# KiCad board 5wy19_converted.kicad_pcb (continued)
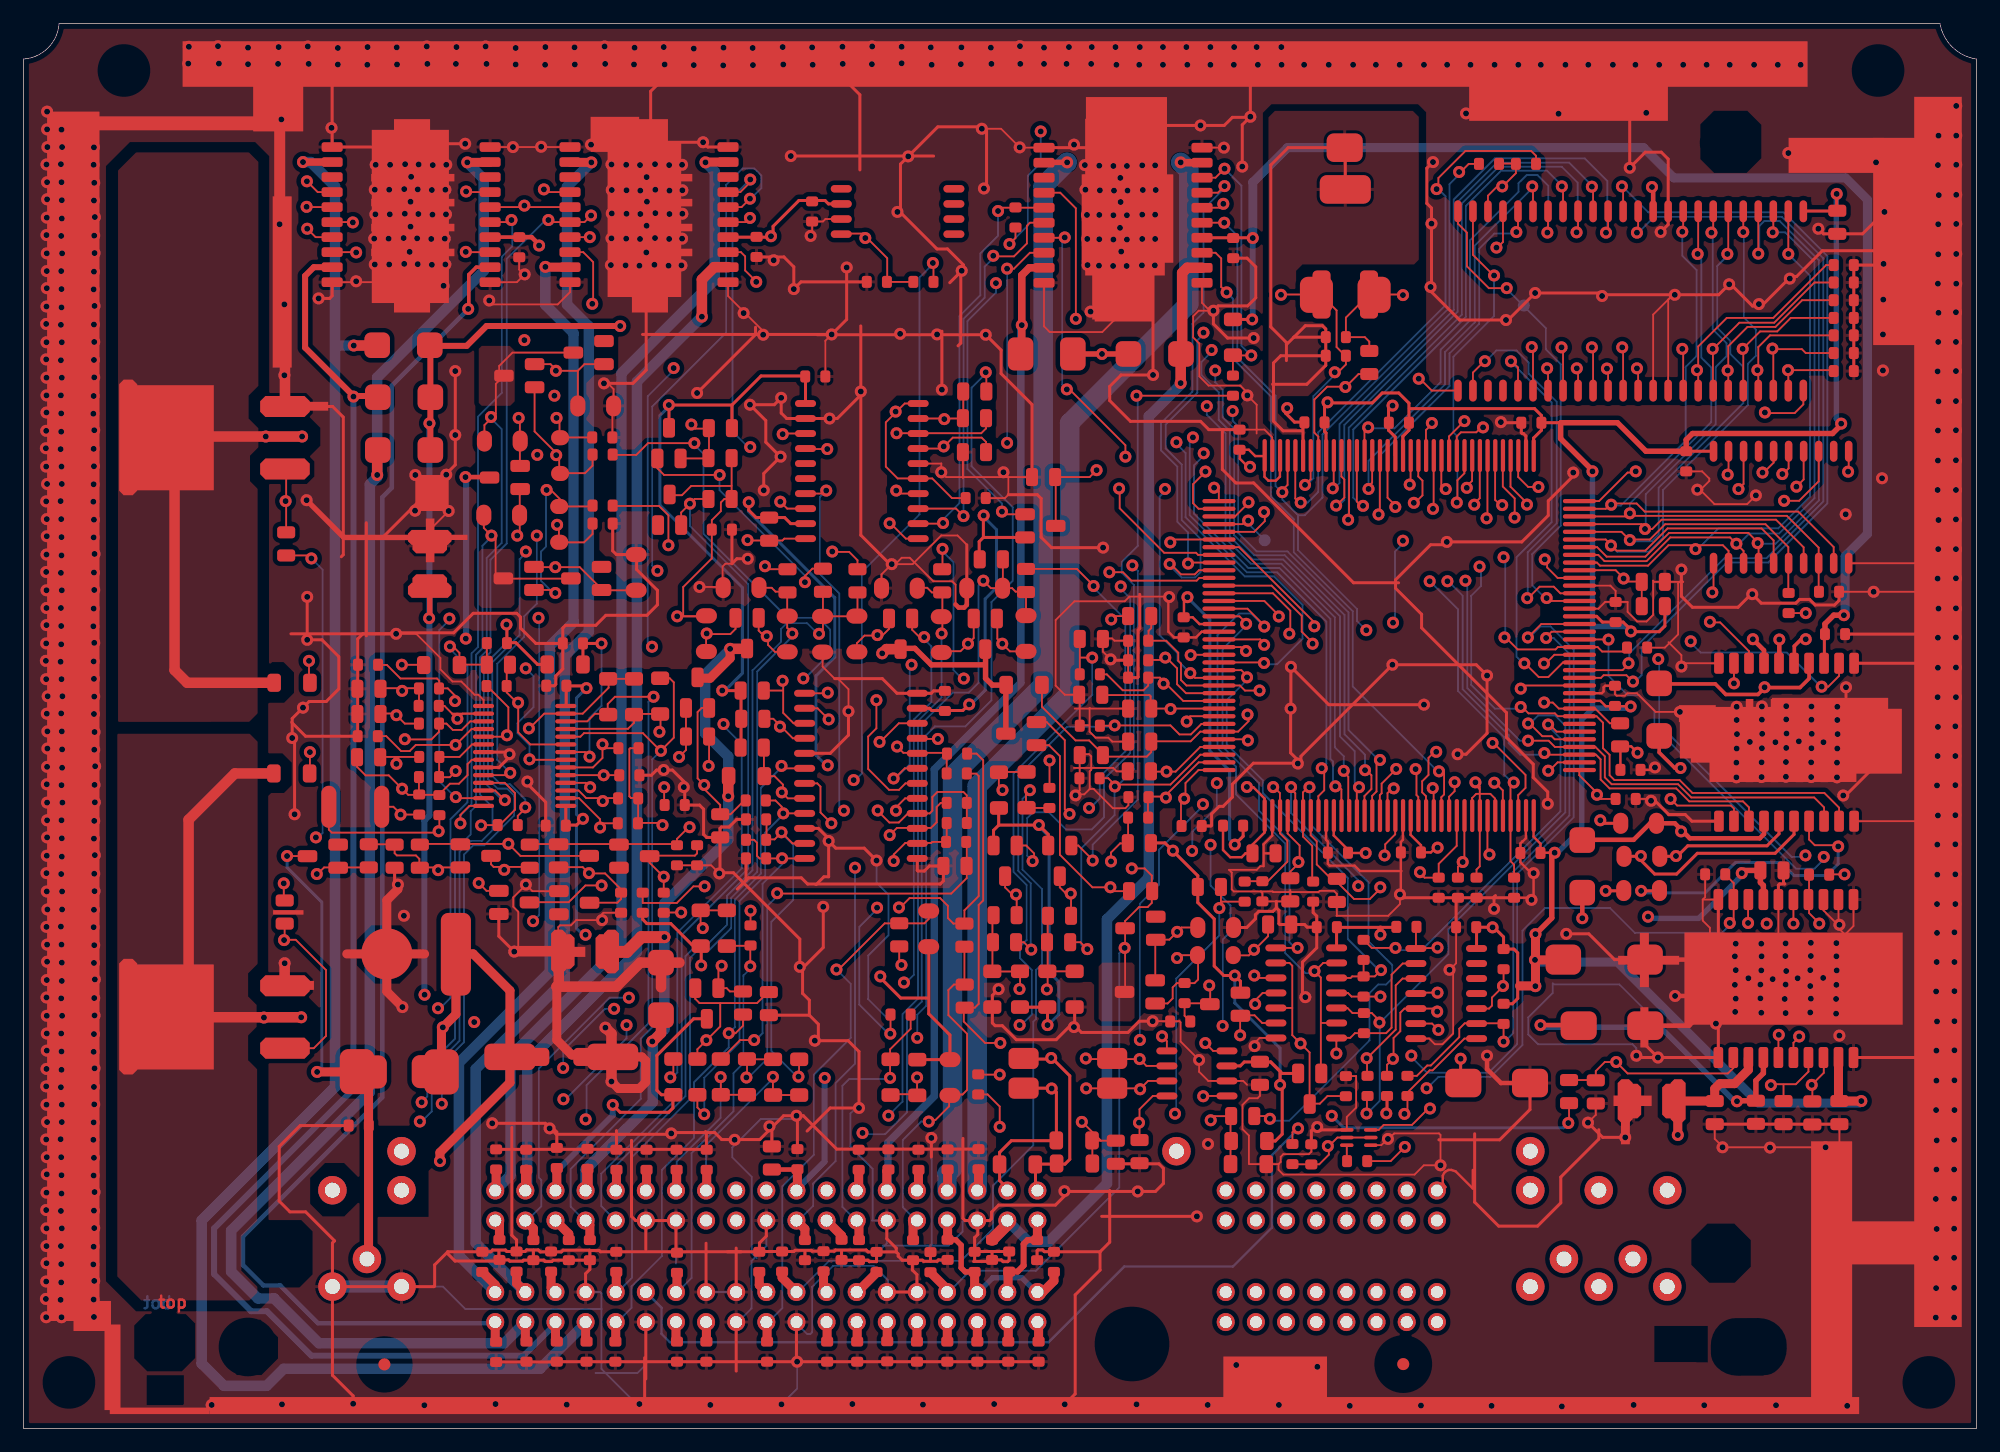
[diagram p0: board, top side]
## Footprints (pads in the part's own frame, mm; a bottom-side part is the same pattern mirrored in y, then rotated) (continued)
3
  rrect 1.778x0.813 smd: 1(0,0) 2(0,1.27) 3(0,2.54) 4(0,3.81) 5(0,5.08) 6(0,6.35) 7(0,7.62) 8(0,8.89) 9(0,10.16) 10(0,11.43) 11(-13.36,11.43) 12(-13.36,10.16) 13(-13.36,8.89) 14(-13.36,7.62) 15(-13.36,6.35) 16(-13.36,5.08) 17(-13.36,3.81) 18(-13.36,2.54) 19(-13.36,1.27) 20(-13.36,0)
  rect 3.048x3.048 smd: 21(-6.756,12.471) 22(-6.756,-0.838)
  rect 2.794x0.635 smd: 23(-8.941,8.915) 24(-8.941,6.807) 25(-8.941,4.699) 26(-8.941,2.591) 27(-4.699,2.591) 28(-4.699,4.699) 29(-4.699,6.807) 30(-4.699,8.915)
4
  oval 0.635x1.854 smd: (-1.27,0) (-1.27,-15.164) (0,0) (0,-15.164) 1(-2.54,0) 2(-3.81,0) 3(-5.08,0) 4(-6.35,0) 5(-7.62,0) 6(-8.89,0) 7(-10.16,0) 8(-11.43,0) 9(-12.7,0) 10(-13.97,0) 11(-15.24,0) 12(-16.51,0) 13(-17.78,0) 14(-19.05,0) 15(-20.32,0) 16(-21.59,0) 17(-22.86,0) 18(-24.13,0) 19(-25.4,0) 20(-26.67,0) 21(-27.94,0) 22(-29.21,0) 23(-29.21,-15.164) 24(-27.94,-15.164) 25(-26.67,-15.164) 26(-25.4,-15.164) 27(-24.13,-15.164) 28(-22.86,-15.164) 29(-21.59,-15.164) 30(-20.32,-15.164) 31(-19.05,-15.164) 32(-17.78,-15.164) 33(-16.51,-15.164) 34(-15.24,-15.164) 35(-13.97,-15.164) 36(-12.7,-15.164) 37(-11.43,-15.164) 39(-8.89,-15.164) 40(-7.62,-15.164) 41(-6.35,-15.164) 42(-5.08,-15.164) 43(-3.81,-15.164) 44(-2.54,-15.164) 438(-10.16,-15.164)
5
  oval 0.635x1.778 smd: 1(0,0) 2(-1.27,0) 3(-2.54,0) 4(-3.81,0) 5(-5.08,0) 6(-6.35,0) 7(-7.62,0) 8(-8.89,0) 9(-10.16,0) 10(-11.43,0) 11(-11.43,-9.474) 12(-10.16,-9.474) 13(-8.89,-9.474) 14(-7.62,-9.474) 15(-6.35,-9.474) 16(-5.08,-9.474) 17(-3.81,-9.474) 18(-2.54,-9.474) 19(-1.27,-9.474) 20(0,-9.474)
6
  oval 1.778x0.584 smd: 1(0,0) 2(0,-1.27) 3(0,-2.54) 4(0,-3.81) 5(5.08,-3.81) 6(5.08,-2.54) 7(5.08,-1.27) 8(5.08,0)
7
  oval 1.778x0.584 smd: 1(0,0) 2(0,1.27) 3(0,2.54) 4(0,3.81) 5(0,5.08) 6(0,6.35) 7(0,7.62) 8(-5.131,7.62) 9(-5.131,6.35) 10(-5.131,5.08) 11(-5.131,3.81) 12(-5.131,2.54) 13(-5.131,1.27) 14(-5.131,0)
8
  oval 1.143x0.305 smd: 1(0,0) 2(0,-0.648) 3(0,-1.295) 4(2.032,-1.295) 5(2.032,-0.648) 6(2.032,0)
9
  oval 1.778x0.635 smd: 1(0,0) 2(0,1.278) 3(0,2.557) 4(0,3.835) 5(-9.525,3.835) 6(-9.525,2.557) 7(-9.525,1.278) 8(-9.525,0)
10
  oval 1.778x0.584 smd: 1(0,0) 2(0,1.27) 3(0,2.54) 4(0,3.81) 5(0,5.08) 6(0,6.35) 7(0,7.62) 8(0,8.89) 9(0,10.16) 10(0,11.43) 11(-9.525,11.43) 12(-9.525,10.16) 13(-9.525,8.89) 14(-9.525,7.62) 15(-9.525,6.35) 16(-9.525,5.08) 17(-9.525,3.81) 18(-9.525,2.54) 19(-9.525,1.27) 20(-9.525,0)
10#2
  oval 1.778x0.584 smd: 1(0,0) 2(0,1.27) 3(0,2.54) 4(0,3.81) 5(0,5.08) 6(0,6.35) 7(0,7.62) 8(0,8.89) 9(0,10.16) 10(0,11.43) 11(0,12.7) 12(0,13.97) 13(-9.525,13.97) 14(-9.525,12.7) 15(-9.525,11.43) 16(-9.525,10.16) 17(-9.525,8.89) 18(-9.525,7.62) 19(-9.525,6.35) 20(-9.525,5.08) 21(-9.525,3.81) 22(-9.525,2.54) 23(-9.525,1.27) 24(-9.525,0)
11
  rrect 2.54x1.778 smd: 1(0,0) 2(0,-2.515) 3(7.493,-2.515) 4(7.493,0)
12
  oval 1.778x0.356 smd: 1(0,0) 2(0,-0.65) 3(0,-1.3) 4(0,-1.95) 5(0,-2.6) 6(0,-3.25) 7(0,-3.9) 8(0,-4.55) 9(0,-5.2) 10(0,-5.85) 11(0,-6.5) 12(0,-7.15) 13(0,-7.8) 14(0,-8.45) 15(6.96,-8.45) 16(6.96,-7.8) 17(6.96,-7.15) 18(6.96,-6.5) 19(6.96,-5.85) 20(6.96,-5.2) 21(6.96,-4.55) 22(6.96,-3.9) 23(6.96,-3.25) 24(6.96,-2.6) 25(6.96,-1.95) 26(6.96,-1.3) 27(6.96,-0.65) 28(6.96,0)
13
  rrect 4.191x1.778 smd: 1(0,0) 3(0,-5.283)
  rect 7.112x8.89 smd: 2(9.576,-2.642)
  rrect 1.524x9.779 smd: 2(13.259,-2.667)
14
  rrect 2.54x6.985 smd: 1(0,0)
  round 4.318 smd: 2(5.842,-0.025)
15
  rrect 2.921x3.81 smd: 1(-0.61,0.025) 2(6.528,0)
  rrect 3.81x2.794 smd: 1(0,0) 2(5.918,0.025)
16
  rrect 2.286x1.524 smd: 1(0,0) 2(-4.318,0)
  rrect 4.318x2.235 smd: 1(2.184,0) 2(-6.502,0)
17
  rrect 1.651x1.016 smd: 1(0,0) 2(0,-1.956) 3(2.591,-0.978)
18
  rrect 2.159x2.159 smd: 1(0,0) 2(-4.445,0)
18#2
  rrect 2.159x2.159 smd: 1(-4.445,0) 2(0,0)
19
  rrect 3.683x1.27 smd: 1(0,0.711) 2(0,-3.759)
  rrect 2.921x1.27 smd: 1(0,0) 2(0,-3.048)
20
  oval 1.524x1.27 smd: 1(0,3.023) 2(0,0)
21
  oval 1.27x1.778 smd: 1(0,0) 2(3.023,0)
22
  oval 1.27x3.556 smd: 1(0,0) 2(4.47,0)
23
  rrect 2.159x2.794 smd: 1(-4.42,0) 2(0,0)
24
  rrect 1.524x4.064 smd: 1(-0.432,-0.025) 2(-4.445,-0.025)
  rrect 2.794x3.048 smd: 1(0,0) 2(-4.877,0)
  rrect 4.318x2.413 smd: 3(-2.438,-8.915)
  rrect 3.048x2.413 smd: 4(-2.388,-12.446)
25
  rrect 3.048x2.413 smd: 1(0,0) 2(-5.639,0)
26
  rrect 2.997x2.54 smd: 1(0,0) 2(-6.909,0)
27
  rrect 1.524x1.143 smd: 1(0,0) 2(0,-3.023)
28
  rrect 1.524x1.016 smd: 1(0,0) 2(0,1.956)
28#2
  rrect 1.524x1.016 smd: 1(0,1.956) 2(0,0)
29
  rrect 1.016x0.838 smd: 1(0,0) 2(0,-1.702)
29#2
  rrect 1.016x0.838 smd: 1(0,-1.702) 2(0,0)
unnamed
  round 1.016 smd: 2(0,0)
unnamed#3
  round 1.016 smd far side: 2(0,0)
unnamed#2
  round 1.016 smd far side: 1(0,0)
unnamed#4
  round 1.016 smd: 1(0,0)

## Nets
5V: C1.1 C3.1 C4.1 C5.2 C6.2 C9.1 C11.1 C12.1 C13.1 C14.2 C15.2 C19.1 C20.1 C21.1 C28.2 C30.2 C31.1 C50.2 C56.1 C57.1 C58.1 C70.1 C71.1 C73.1 C77.1 C83.1 IC1.17 IC1.46 IC1.56 IC1.72 IC1.82 IC1.93 IC1.109 IC1.126 IC1.136 IC1.142 IC1.144 IC2.23 IC2.33 IC3.20 IC4.13 IC5.1 IC6.14 IC7.9 IC8.14 IC9.23 IC10.14 IC11.3 Q4.3 Q7.2 Q15.2 Q16.2 Q27.2 Q28.2 R7.2 R17.2 R31.2 R43.2 R63.1 R67.1 R71.1 R78.1 R90.1 R91.2 R99.1 R101.1 R105.2 R108.1 R110.2 R118.2 R122.2 R124.1 R125.1 R131.2 R135.2 R143.2 R145.1 R151.1 U1.14 U2.14 U4.2 U11.14
12V Ign: C90.1 J1.a22 Q26.3 R139.1 R148.2
12V IGN MON: C32.2 IC1.28 R65.2 R139.2
12V Main Rel: C18.1 C72.1 C89.1 C91.1 C93.1 D1.1 D2.1 D3.1 D4.2 D6.1 D10.2 D12.1 J1.a14 J1.a21 Q5.3 Q10.3 Q11.3 Q12.3 Q13.3 Q14.3 R61.1 R79.1
12V REL MON: C36.2 IC1.31 R61.2 R72.2
GND: C1.2 C3.2 C4.2 C5.1 C6.1 C8.1 C9.2 C11.2 C12.2 C13.2 C14.1 C15.1 C16.2 C17.2 C18.2 C19.2 C20.2 C21.2 C22.2 C23.1 C24.2 C25.2 C26.2 C27.1 C28.1 C29.1 C30.1 C31.2 C32.1 C33.1 C34.1 C35.2 C36.1 C38.1 C39.1 C40.2 C41.1 C42.1 C44.1 C46.2 C47.1 C48.1 C50.1 C51.1 C53.2 C54.2 C55.2 C56.2 C57.2 C58.2 C59.1 C60.1 C61.2 C62.2 C63.2 C64.2 C65.2 C66.2 C67.2 C68.1 C69.2 C70.2 C71.2 C72.2 C73.2 C74.2 C75.2 C76.2 C77.2 C78.2 C80.2 C81.2 C82.2 C83.2 C84.2 C85.2 C87.2 C88.1 C89.2 C90.2 C91.2 C92.2 C93.2 C94.2 C95.2 C96.2 C97.2 C98.2 C99.2 C100.2 C101.2 C102.2 C103.2 C104.2 C105.2 C106.2 C107.2 C108.2 C109.2 C110.2 C111.2 C112.2 C113.2 C114.1 C115.1 C116.1 C117.1 C118.1 C119.1 C120.1 C121.1 C122.1 C123.1 C124.1 C125.1 C126.1 C127.2 C128.2 C129.2 C130.2 C131.2 C132.2 C133.2 C134.2 C135.2 C136.2 C137.2 C138.2 C139.2 C140.2 C141.2 C142.2 C143.1 C144.1 D12.2 IC1.18 IC1.38 IC1.45 IC1.55 IC1.71 IC1.83 IC1.94 IC1.97 IC1.110 IC1.127 IC1.139 IC1.143 IC2.12 IC2.13 IC2.32 IC3.10 IC4.1 IC4.10 IC4.11 IC4.20 IC5.2 IC5.16 IC6.1 IC6.10 IC6.11 IC6.20 IC7.1 IC7.10 IC7.11 IC7.12 IC7.13 IC7.16 IC7.20 IC8.1 IC8.10 IC8.11 IC8.20 IC9.5 IC9.10 IC9.13 IC9.24 IC10.1 IC10.10 IC10.11 IC10.20 IC11.2 J1.a1 J1.a2 Q3.3 Q21.2 Q22.1 Q24.3 R3.2 R4.2 R5.2 R6.2 R8.2 R11.2 R13.2 R15.2 R19.2 R20.2 R23.2 R28.2 R30.2 R37.2 R38.1 R39.2 R40.2 R41.1 R49.2 R51.2 R65.1 R72.1 R96.2 R98.1 R106.2 R113.2 R114.2 R123.1 R126.1 R134.1 R147.2 R149.2 R152.1 R154.1 R155.2 R158.1 U1.7 U2.7 U4.3 U11.15 U11.21 U11.23 U17.1 U17.4
75HCT574 CLOCK: IC1.4 IC3.11 NOREF#2.2
AC COMP IN: C25.1 IC1.26 R34.1
AC Comp Out: C127.1 IC4.15 J1.b27
AC Comp Switch In: C124.2 J1.b9 R34.2 R40.1 R50.1
AC PRESS SW: C44.2 IC1.73 R33.2
AC Press Switch In: C114.2 J1.b10 R31.1 R33.1 R39.1 R45.2
AC REQUEST: C63.1 IC1.69 R36.1
AC Request Switch In: C122.2 J1.b17 R36.2 R38.2 R48.1
ATM46 PIN8: IC9.8 R71.2 R79.2
ATM46 PIN9: C45.2 IC9.9 R138.1
CAM POS: C65.1 IC1.63 R115.2
CAN High: J1.a7 L1.4 R150.2 R159.2
CAN Low: J1.a6 L1.3 R156.2 R159.1
CAN RXD: IC1.92 IC11.4
CAN TX OUT: IC11.1 R144.1 U1.8
CAN TXD: IC1.91 R131.1 R144.2 U1.9
CCV Out: C140.1 D4.1 IC8.9 J1.b38
CH1FB: IC5.18 R16.1
CH1N: IC5.19 R14.2 R16.2
CKP Sens GND: J1.a27
CKP Sens Signal: C108.1 J1.a29 R116.2 R129.1 R135.1
CMP Sens GND: J1.a30
CMP Sens Signal: C135.1 J1.b31 R108.2 R115.1
COOLANT TEMP: C62.1 IC1.40 R133.1
Cooling Fan High Control: C129.1 IC4.6 J1.b23 R97.1
Cooling Fan Low Control: C130.1 IC4.5 J1.b24 R97.2
CRANK POS: C64.1 IC1.64 IC1.65 IC1.67 R73.1 R129.2
CVVT OCV Output: C95.1 D2.2 IC6.9 J1.a11
DR: C84.1 IC7.7
DRV1 CH1 EN: IC1.9 IC6.17
DRV1 CH2 EN: IC1.10 IC6.4
DRV1 CH3 EN: IC1.60 IC6.13
DRV1 CH4 EN: IC1.22 IC6.8
DRV2 CH1 EN: IC1.19 IC8.17
DRV2 CH2 EN: IC1.20 IC8.4
DRV2 CH3 EN: IC1.51 IC8.13
DRV2 CH4 EN: IC1.14 IC8.8
DRV3 CH1 EN: IC1.47 IC10.17
DRV3 CH2 EN: IC1.48 IC10.4
DRV3 CH3 EN: IC1.49 IC10.13
DRV3 CH4 EN: IC1.50 IC10.8
ECT Sens GND: J1.b32
ECT Sens Signal: C109.1 J1.a31 R133.2 R140.2
Engine Speed Out: C131.1 D10.1 IC4.4 J1.b25 R87.2
FLASH A0: IC1.119 IC2.11
FLASH A1: IC1.120 IC2.10
FLASH A2: IC1.121 IC2.9
FLASH A3: IC1.122 IC2.8
FLASH A4: IC1.123 IC2.7
FLASH A5: IC1.124 IC2.6
FLASH A6: IC1.125 IC2.5
FLASH A7: IC1.128 IC2.4
FLASH A8: IC1.129 IC2.42
FLASH A9: IC1.130 IC2.41
FLASH A10: IC1.131 IC2.40
FLASH A11: IC1.132 IC2.39
FLASH A12: IC1.133
FLASH A13: IC1.134 IC2.37
FLASH A14: IC1.135 IC2.36
FLASH A15: IC1.85 IC2.35
FLASH A16: IC1.86 IC2.34
FLASH A17: IC1.87 IC2.3
FLASH D8: IC1.108 IC2.22
FLASH D9: IC1.111 IC2.21 R13.1
FLASH D10: IC1.112 IC2.20 R11.1
FLASH D11: IC1.113 IC2.19 R8.1
FLASH D12: IC1.114 IC2.18 R6.1
FLASH D13: IC1.115 IC2.17 R5.1
FLASH D14: IC1.116 IC2.16 R4.1
FLASH D15: IC1.117 IC2.15 R3.1
FLASH OE: IC1.1 IC2.14
FLASH WE: IC1.2 IC2.43
FTPS: C42.2 IC1.35 R86.1
FTPS GND: J1.a34
FTPS PWR: C119.2 J1.b3
FTPS Signal: C110.1 J1.a33 R86.2 R91.1
Fuel Consumption Out: C137.1 J1.b34 Q8.3 Q9.3 R26.1
FUEL OUT DRV: IC1.24 R25.2
Fuel Pump Out: C133.1 IC4.16 J1.b28
HIP0045 CE: IC3.15 IC4.19
HO2S GND (B1/S1): J1.b18
HO2S GND (B1/S2): J1.a37
HO2S Heater (B1/S1): C92.1 IC6.19 J1.a8
HO2S Heater (B1/S2): C94.1 IC6.2 J1.a9
HO2S Signal (B1/S1): C106.1 J1.b2 R112.1 R119.1 R123.2 R124.2
HO2S Signal (B1/S2): C113.1 J1.b1 R111.1 R120.1 R125.2 R126.2
IAT: C67.1 IC1.43 R117.1
IAT Sens Signal: C126.2 J1.b15 R109.2 R117.2
IGN 2/3: IC1.54 R107.1
IGN 2/3 MON: IC9.2 R76.1
IGN 4/1: IC1.53 R29.2
IGN 4/1 MON: IC9.1 R60.1
Ign. Coil 1&4: J1.a4 Q3.2 R60.2
Ign. Coil 2&3: J1.a5 Q24.2 R76.2
Ignition Shield GND: J1.b14
IMMO Data W-Line: C125.2 IC9.7 J1.b6 Q23.3 Q25.3 R103.2
IMMO GND: J1.b30
IMMO Lamp Out: C142.1 IC8.12 J1.b40
IN0: IC1.61 IC4.2
IN1: IC1.7 IC4.12
Injector 1: C96.1 IC10.19 J1.a24
Injector 2: C123.2 IC10.9 J1.b21
Injector 3: C118.2 IC10.2 J1.b20
Injector 4: C102.1 IC10.12 J1.a23
ISCV PWM Close: C139.1 D1.2 IC8.2 J1.b37
ISCV PWM Open: C141.1 D6.2 IC8.19 J1.b39
K-Line: C138.1 IC9.6 J1.b36 R70.2 R130.2
KNK VRef: C16.1 IC5.3 IC5.15 IC5.20
KNOCK: IC1.44 IC5.4
KNOCK IC CS: IC1.8 IC5.8
KNOCK INTEGRATE: IC1.52 IC5.7
Knock Sens GND: J1.b13
Knock Sens Signal: C79.2 J1.a10 R155.1
MAF IN: C27.2 IC1.27 R56.2
MAF Sens Signal: C117.2 J1.b19 R51.1 R56.1
MAF/IAT Sens GND: J1.b7
Main Relay Control: C132.1 D8.2 J1.b26
MC333 SPI CS: IC3.16 IC6.7 IC8.7 IC10.7
MCU CLK OUT: C39.2 IC5.9 R27.1 R68.1
Mem Power Supply: C87.1 D13.2 J1.a3 Q20.3
MEMPWR MASK: IC3.13 R104.2
MEMPWR MON: IC1.68 Q21.3 R105.1
MIL Out: C134.1 IC4.17 J1.b29
MISO: IC1.75 IC4.3 IC5.11 IC10.16 R89.1
MISO1: C2.1 IC6.16 IC8.5
MISO2: IC8.16 IC10.5
MLTPLX D0: IC1.100 IC2.24 IC3.2
MLTPLX D1: IC1.101 IC2.25 IC3.3
MLTPLX D2: IC1.102 IC2.26 IC3.4
MLTPLX D3: IC1.103 IC2.27 IC3.5
MLTPLX D4: IC1.104 IC2.28 IC3.6 R42.1
MLTPLX D5: IC1.105 IC2.29 IC3.7
MLTPLX D6: IC1.106 IC2.30 IC3.8 R41.2
MLTPLX D7: IC1.107 IC2.31 IC3.9
MOSI: C2.2 IC1.76 IC4.8 IC5.12 IC6.5 U11.24
NewNet6: R52.1 R54.1 R55.2
NewNet34: R153.1
NewNet36: R59.2 U11.12
NewNet72: NOREF#3.1
NewNet73: U11.1
NewNet77: C24.1 R35.1
NewNet117: C33.2 R69.1
NewNet120: C26.1 R64.2
NewNet129: C69.1 C86.2
NewNet182: U11.27
NewNet200: R153.2 R154.2 U17.2 U17.5
NewNet201: R42.2 U17.3
NewNet202: R157.2 U17.6
NewNet203: C7.1 C8.2 U4.4
NewNet211: D9.1 R58.1 R59.1 R84.1 U11.13
NewNet212: R57.2 R58.2 U11.11
NewNet213: R54.2 R62.2 U11.9
NewNet214: C23.2 R53.2 U11.8
NewNet215: R55.1 U11.7
NewNet216: C37.1 U11.6
NewNet217: C40.1 U11.5
NewNet218: C46.1 U11.4
NewNet219: C43.1 U11.3
NewNet220: C49.1 U11.2
NewNet221: R66.2 U11.16
NewNet222: R69.2 U11.17
NewNet223: C35.1 U11.18
NewNet224: R62.1 U11.19
NewNet225: R75.2 R81.2 U11.20
NewNet226: R74.1 R81.1 R83.2 R84.2 U11.22
NewNet227: R89.2 U11.25
NewNet240: D9.2 R83.1
NewNet253: Q12.1 R102.1
NewNet255: C10.1 R7.1
NewNet265: Q11.1 R45.1
NewNet266: Q11.2 R50.2
NewNet267: Q12.2 R47.2
NewNet268: Q10.1 R48.2
NewNet269: Q10.2 R46.2
NewNet270: Q13.1 R70.1
NewNet271: C45.1 C47.2 Q13.2
NewNet273: Q4.1 R32.1
NewNet297: R74.2 R75.1
NewNet298: C29.2 R64.1 R66.1
NewNet300: C37.2 C43.2 C49.2
O2 S1: C10.2 C41.2 IC1.34 R119.2
O2 S1 Diag: IC3.19 Q15.1
O2 S2: C34.2 IC1.30 R120.2
O2 S2 Diag: IC3.18 Q16.1
OIL TEMP: C38.2 IC1.33 R82.2
Oil Temp Sens GND: J1.b35
Oil Temp Sens Signal: C116.2 J1.b11 R77.1 R82.1
OR OUT1: R145.2 U1.5 U2.3
OR OUT4: R127.1 U1.4 U2.11
OR TOGGLE: IC1.15 Q28.1 U2.9 U2.13
P2.13: C66.1 IC1.62 R80.1 R116.1
P3.4: IC1.70 IC9.22
P3.7: IC1.74 IC9.21
P5.12: C60.2 IC1.41 R92.1 R136.2 R142.2
PCSV PWM: C103.1 D3.2 IC6.12 J1.a26
PSU ENABLE: IC1.90 IC7.8 R149.1
PSU WDOG: IC1.12 IC7.18
PWR INPUT: C76.1 C81.1 C85.1 D13.1 IC7.3
RESET IN: IC1.140 IC7.6 R1.2
RESET OUT: IC1.141 IC4.18 IC6.15 IC8.15 IC10.15 Q7.1 R2.1 U11.28
RxD: IC1.78 R121.2 U1.6
RxD Out 1: IC1.16 IC9.19 U2.1
RxD Out 2: IC1.23 IC9.18 R121.1 R127.2 U2.12
SCLK: IC1.80 IC4.9 IC5.13 IC6.6 IC8.6 IC10.6 U11.26
Sens AUX PWR: C61.1 C78.1 C107.1 IC7.17 J1.a25
Sens AUX PWR 2: C75.1 C82.1 C120.2 IC7.4 J1.b5
SPARE PIN 1: IC1.42
SPARE PIN 2: IC1.89
TPS: C68.2 IC1.39 R100.1
TPS GND: J1.a38
TPS PWM DRV: IC1.21 R21.2
TPS PWM Out: C136.1 J1.b33 Q1.3 Q2.3 R18.1
TPS PWR: C115.2 J1.b4
TPS Signal: C105.1 J1.a32 R100.2 R101.2
TxD: IC1.77 R132.2 R146.1 U2.4 U2.10
TxD Out: IC9.17 R146.2 U1.3
TxD W-Line: Q27.1 U2.6
V. SPEED: C17.1 Q6.3 R22.2 R24.2 R44.2 R46.1
Vehicle Speed Sens Signal: J1.a39 Q6.2 R24.1
Wheel Speed Sens +: C99.1 J1.a18 R136.1 R137.1
Wheel Speed Sens -: C98.1 J1.a17 R141.1 R142.1
WHSP IN+: C52.1 C59.2 IC9.12 R137.2
WHSP IN-: C48.2 C52.2 IC9.11 R141.2
XTAL1: C144.2 IC1.138 Y1.1
XTAL2: IC1.137 R10.1
Net-(C54-Pad1): C54.1 Q19.3 R104.1
Net-(C74-Pad1): C74.1 Q26.2 R138.2
Net-(C79-Pad1): C79.1 R14.1
Net-(C88-Pad2): C88.2 R150.1 R156.1
Net-(C143-Pad2): C143.2 R10.2 Y1.2
Net-(D5-A): D5.2 Q2.1 R21.1
Net-(D5-K): D5.1 R19.1
Net-(D7-A): D7.2 Q9.1 R25.1
Net-(D7-K): D7.1 R28.1
Net-(D8-K): D8.1 IC4.14
Net-(D11-A): D11.2 Q25.1 R128.2
Net-(D11-K): D11.1 R113.1
Net-(IC1-P3.15/CLKOUT/FOUT): IC1.81 R68.2
Net-(IC1-P5.9/AN9): C7.2 C51.2 IC1.36
Net-(IC1-P7.6/CC30IO): C22.1 IC1.25 R44.1
Net-(IC1-Varef): C55.1 IC1.37 R90.2
Net-(IC1-~{EA}): IC1.99 R37.1 R43.1
Net-(IC2-~{RESET}): IC2.44 R1.1 R2.2
Net-(IC3-OE): IC3.1 Q7.3 R23.1
Net-(IC5-CH2FB): IC5.17 R20.1
Net-(IC5-XOUT): IC5.10 R27.2
Net-(IC7-DW): IC7.19 R98.2 R157.1
Net-(IC7-E1): C80.1 IC7.2 R148.1
Net-(IC7-EN): IC7.14 R99.2
Net-(IC9-GPIO4?): IC9.20 R73.2 R80.2
Net-(IC9-UNKN1): IC9.3 R63.2
Net-(IC9-UNKN2): IC9.4 R67.2
Net-(IC9-UNKN3): IC9.15 R85.2
Net-(IC9-UNKN4): IC9.16 R85.1 R88.1
Net-(IC9-WHSPO?): IC9.14 R88.2 R92.2
Net-(IC11-CANH): IC11.7 L1.1
Net-(IC11-CANL): IC11.6 L1.2
Net-(IC11-Rs): IC11.8 R152.2
Net-(Q1-A): Q1.1 Q2.2 R15.1
Net-(Q3-G): Q3.1 R29.1
Net-(Q5-Pad1): Q5.1 R26.2
Net-(Q5-Pad2): Q5.2 R18.2
Net-(Q8-A): Q8.1 Q9.2 R30.1
Net-(Q14-Pad1): Q14.1 R103.1
Net-(Q14-Pad2): Q14.2 R87.1
Net-(Q15-C): Q15.3 R112.2
Net-(Q16-C): Q16.3 R111.2
Net-(Q17-B): Q17.1 Q19.1 R94.1 R96.1
Net-(Q17-C): Q17.3 Q18.1 R95.1
Net-(Q17-E): Q17.2 Q21.1 Q22.3 R106.1
Net-(Q18-C): Q18.3 R94.2
Net-(Q18-E): C53.1 Q18.2 R93.1 R95.2
Net-(Q20-Pad2): Q20.2 R93.2
Net-(Q23-A): Q23.1 Q25.2 R114.1
Net-(Q24-G): Q24.1 R107.2
Net-(Q26-Pad1): Q26.1 R130.1
Net-(Q27-C): Q27.3 R128.1 R134.2
Net-(Q28-C): Q28.3 R147.1 U2.2 U2.5
Net-(R17-Pad1): Q4.2 R17.1 R22.1
Net-(R77-Pad2): R77.2 R78.2
Net-(R109-Pad1): R109.1 R110.1
Net-(R140-Pad1): R140.1 R143.1
Net-(U1-1A): R118.1 U1.1
Net-(U1-1B): R132.1 U1.2 U2.8
Net-(U1-3B): R122.1 U1.10

Pads without a net: C86 1; C97 1; C100 1; C101 1; C104 1; C111 1; C112 1; C121 2; C128 1; IC1 3 5 6 11 13 29 32 57 58 59 66 79 84 88 95 96 98 118; IC2 1 2 438; IC3 12 14 17; IC4 7 21 22 23 24 25 26 27 28 29 30; IC5 5 6 14; IC6 3 18 21 22 23 24 25 26 27 28 29 30; IC7 5 15 21 22 23 24 25 26 27 28 29 30; IC8 3 18 21 22 23 24 25 26 27 28 29 30; IC10 3 18 21 22 23 24 25 26 27 28 29 30; IC11 5; J1 1 2 3 4 5 6 7 8 28 29 30 31 32 33 34 35 55 56 57 58 59 60 61 62 82 83 84 85 86 87 88 89 111 115 116 117 118 119 120 121 122 123 124 a12 a13 a15 a16 a19 a20 a28 a35 a36 a40 a41 b8 b12 b16 b22; J1#2 1 2; NOREF 2; NOREF#4 1; Q1 2; Q6 1; Q8 2; Q19 2; Q20 1; Q22 2; Q23 2; R32 2; R35 2; R47 1; R49 1; R52 2; R53 1; R57 1; R102 2; R151 2; R158 2; U1 11 12 13; U4 1 5 6 7 8; U11 10; Y1 3 4

## Via types
v1: diameter 1.016, hole 0.508, TopLayer to BottomLayer, 1372 vias

## Routing (per net, layer and track width the routed paths; a pad name or vN(x,y) marks a point on that pad's centre or on a via; arc(x,y) is an arc through that point)
5V: length 917.5
  TopLayer w0.152: v1(153.97,46.86) 152.73,46.86
  TopLayer w0.203: 131.55,61.54 133.33,61.54 133.78,61.09 135.86,61.09 v1(135.89,61.06) ; 116.63,82.29 116.63,83.92 117.14,84.43 C13.1 ; 103.58,81.33 103.55,81.36 103.5,81.36 102.84,82.02 102.84,82.75 C14.2 103.61,82.78 104.14,82.25 104.9,82.25 104.93,82.22 104.93,80.49 105.26,80.16 105.89,80.16 106.23,80.5 106.23,82.29 ; 117.28,51.83 117.28,50.21 118.16,49.33 C56.1 119,48.72 119.43,49.15 ; v1(129.46,48.69) 128.3,48.69 C58.1 128.27,49.45 127.68,50.04 127.68,51.83 ; 113.33,48.67 112.27,48.67 110.78,50.15 110.78,51.83 ; 98.35,70.31 98.12,70.08 98.12,68.63 C20.1 98.86,68.61 99.43,68.04 101.07,68.04
  TopLayer w0.254: R91.2 95.34,49.52 96.51,49.52 99.29,46.74 99.29,44.48 100.68,43.09 100.68,39.11 101.48,38.3 102.41,38.3 102.9,37.82 Q27.2 ; C21.1 152.27,67.13 152.27,64.74 IC4.13 ; R143.2 R135.2 78.33,31.2 78.33,33.28 76.54,35.07 76.54,40.74 R108.1 ; v1(57.3,39.16) 57.3,40.45 56.85,40.9 56.52,40.9 54.72,42.7 52.7,42.7 52.35,43.05 R105.2 ; 45.85,52.65 C50.2 45.89,51.03 46.76,51.03 v1(47.29,51.56) ; IC5.1 66.12,88.9 66,89.02 62.36,89.02 59.89,86.56 ; Q28.2 106.42,30.02 105.45,30.99 ; 59.89,86.56 R17.2 ; 59.89,86.56 54.56,86.56 v1(54.56,86.56) 54.57,86.55 Q4.3 ; R71.1 60.66,57.61 60.66,62.15 60.41,62.4 59.08,62.4 v1(59.07,62.41) ; 115.23,26.72 115.29,26.78 R145.1 ; R31.2 80.8,73.55 80.8,75.01 81.16,75.36 ; v1(103.89,93.8) R7.2 ; 81.16,75.36 81.16,77.19 v1(81.18,77.22) ; 81.16,75.36 Q7.2 ; v1(72.44,38.23) 72.44,38.12 74.17,36.4 76.52,36.4 ; 105.45,30.99 106.25,30.19 v1(106.25,29.06) 106.42,28.88 106.42,24.88 105.85,24.31 R151.1 ; 105.45,30.99 103.22,30.99 102.88,30.66 IC11.3 ; IC10.14 63.12,100.76 v1(63.2,100.84) 63.37,101.02 63.37,101.68 65.56,103.86 67.77,103.86 68.06,103.57 U4.2 ; 110.19,86.74 110.01,86.56 110.01,84.33 110.13,84.2 110.13,82.29 ; 110.19,86.74 114.05,86.74 114.88,87.58 116.28,87.58 117.14,86.72 C13.1 117.14,84.43 116.63,83.92 116.63,82.29 ; 110.19,86.74 110.13,86.79 ; IC6.14 103.91,100.71 v1(103.94,100.69) ; IC9.23 76.6,60.91 76.79,60.72 79.42,60.72 79.94,61.24 v1(79.96,61.24) ; R131.2 125.89,35.92 126.34,36.37 126.34,40.22 126.02,40.54 R122.2 125.15,41.56 124.32,42.39 123.01,42.39 122.86,42.24 U1.14 ; 82.45,51.03 82.02,50.59 Q16.2 ; 82.45,51.03 82.45,52.58 ; 82.45,51.03 85.86,51.03 86.64,50.25 Q15.2 ; U11.14 45.88,61.13 45.88,62.79 C28.2 45.91,62.8 47.4,62.8 v1(47.59,62.61) ; U2.14 111.02,42.37 C71.1 111.06,42.38 116.04,42.38 R118.2 ; 130.25,85.06 C12.1 ; R125.1 84.26,35.63 86.37,35.63 86.58,35.41 v1(86.58,34.11) ; 127.68,82.29 127.68,83.76 128.35,84.43 128.35,85.67 127.76,86.26 117.17,86.26 ; IC2.23 150.52,102.97 153.21,102.97 153.31,103.07 v1(153.31,104.42) ; 131.55,68.69 133.02,68.69 133.5,68.2 135.25,68.2 136.07,67.39 138.3,67.39 138.79,67.87 R43.2 ; IC3.20 C15.2 ; v1(102.41,49.37) 103.12,50.09 R90.1
  TopLayer w0.305: 42.06,100.76 IC8.14
  TopLayer w0.381: v1(43.59,100.05) 43.59,100.13 42.95,100.76 C5.2 ; IC2.33 137.8,104.9 v1(137.69,105)
  TopLayer w0.457: v1(127.84,41.81) 127.86,41.81 129.22,43.17 129.22,48.45 v1(129.46,48.69) ; v1(153.7,84.99) 153.7,84.89 152.96,84.15 141.12,84.15 140.59,83.62 C15.2 137.19,82.65 134.77,85.06 130,85.06 129.97,85.04 129.97,83.72 132.66,81.03 v1(132.66,80.95) ; C21.1 152.32,68.05 153.06,68.78 v1(153.92,68.78)
  TopLayer w0.508: 114.73,42.27 v1(114.73,41.76)
  TopLayer w0.762: 130.11,39.63 v1(127.8,39.63) ; v1(127.84,41.81) 127.84,37.42 127.83,37.43 126.5,37.43 ; IC7.9 153.47,27.76 C83.1 v1(155.4,27.69)
  MidLayer2 w0.254: 97,48.87 94.61,48.87 93.22,50.27 86.41,50.27 85.65,51.03 ; 106.15,29.11 106.65,28.6 113.31,28.6 115.11,26.8 115.11,26.72 ; 110.13,86.79 110.13,86.08 106.86,82.8 105.59,82.8 104.11,81.33 103.58,81.33 ; 79.78,61.24 79.3,61.72 73.48,61.72 72.44,62.76 69.98,62.76 68.25,61.04 60.33,61.04 58.47,62.89 54.71,62.89 53.8,63.8 48.67,63.8 47.47,62.61 ; 72.26,38.18 72.26,36.4 ; 86.39,34.11 87.58,35.31 87.58,37.59 86.94,38.23 76.63,38.23 74.75,36.35 59.97,36.35 57.2,39.12 49.99,39.12 47.37,41.73 ; 114.58,42.19 114.58,41.76 ; 102.23,38.23 102.26,38.23 103.43,39.4 104.44,39.4 107.29,42.24 123.93,42.24 124.08,42.39
  MidLayer2 w0.381: 43.46,100.05 44.2,100.05 47.98,96.27 56.97,96.27 61.49,100.79 63.25,100.79 68.4,95.63 98.58,95.63 103.63,100.69 v1(103.94,100.69) ; 102.26,49.4 102.62,49.76 128.32,49.76 129.39,48.69 v1(129.46,48.69) ; v1(137.69,105) 138.28,104.42 v1(153.31,104.42) ; 113.33,49.68 113.33,48.67 ; 155.55,46.86 v1(153.97,46.86)
  MidLayer2 w0.762: 119.43,49.5 119.43,49.15 ; v1(153.92,68.78) 154,68.78 155.52,67.26 155.52,27.81 v1(155.4,27.69)
  BottomLayer w0.254: v1(81.18,77.22) 81.18,77.11 82.27,76.01 82.27,71.12 81.31,70.16 81.31,62.44 80.1,61.24 v1(79.96,61.24) ; v1(54.56,86.56) 54.56,86.43 53.8,85.68 53.8,78.1 60.78,71.12 60.78,63.87 59.32,62.41 v1(59.07,62.41) ; v1(102.41,38.3) 102.41,35.99 106.25,32.15 v1(106.25,29.06) ; v1(102.41,49.37) 101.98,49.81 101.98,55.64 100.31,57.31 100.31,68.39 98.41,70.29 v1(98.41,70.31) ; v1(47.52,41.75) 47.28,41.75 46.74,42.29 46.74,51.01 v1(47.29,51.56) 47.13,51.56 46.74,51.95 46.74,61.77 v1(47.59,62.61) ; v1(85.85,51.04) 85.85,50.92 86.72,50.05 86.72,38.59 87.53,37.77 87.53,35.01 86.63,34.11 v1(86.58,34.11)
  BottomLayer w0.457: 132.66,60.87 132.71,60.92 135.75,60.92 v1(135.89,61.06) ; 132.66,60.87 131.76,59.97 131.76,50.76 129.69,48.69 v1(129.46,48.69) ; 132.66,60.87 v1(132.66,80.95) ; v1(135.92,67.41) 135.51,67.82 132.68,67.82 ; v1(153.7,84.99) 153.29,85.4 153.29,104.39 v1(153.31,104.42)
  BottomLayer w0.508: v1(103.94,100.69) 103.94,93.85 v1(103.89,93.8)
  BottomLayer w0.762: v1(127.8,39.63) 127.99,39.44 134.79,39.44 146.7,27.52 155.23,27.52 v1(155.4,27.69) ; v1(103.94,100.69) 103.94,105.4 106.87,108.33 136.99,108.33 139.55,105.77 154.07,105.77 155.91,103.93 155.91,75.65 154.03,73.77 154.03,68.89 v1(153.92,68.78)
  vias: v1(97.18,48.87) v1(103.7,81.34) v1(110.26,86.79) v1(113.48,48.67) v1(115.23,26.64) v1(119.57,49.12) v1(124.21,42.38) v1(127.83,37.4)
12V Ign: length 114.6
  TopLayer w0.152: 130.68,27.66 130.68,25.88
  TopLayer w0.254: Q26.3 56.65,34.65 53.55,31.54 53.55,28.6 53.93,28.22 R139.1 54.9,28.18 54.9,27.1 54.54,26.74 50.44,26.74 v1(49.81,27.36)
  TopLayer w0.762: J1.a22 45.08,20.23 C90.1
  MidLayer2 w0.254: 49.68,27.36 50.65,28.32 68.02,28.32 70.51,30.81 78.28,30.81 81.03,28.07 85.55,28.07 85.93,27.69 98.32,27.69 98.93,27.08 100.3,27.08 100.66,27.43 109.7,27.43 110.57,26.57
  BottomLayer w0.254: v1(110.62,26.44) 111.63,25.42 130.22,25.42 v1(130.62,25.83)
  BottomLayer w0.508: v1(49.81,27.36) 49.81,26.48 44.97,21.64 J1.a22
12V IGN MON: length 86
  TopLayer w0.152: 101.07,60.89 95.53,60.89 95.3,61.11 95.3,61.93 95.2,62.03 91.24,62.03 R65.2 ; R139.2 54.94,29.99 54.67,29.72
  MidLayer2 w0.254: 59.03,59.54 60.25,58.32 69.27,58.32 71.5,60.55 78.11,60.55 79.04,59.61 83.62,59.61 85.12,61.11 96.6,61.11 96.88,60.83
  BottomLayer w0.152: v1(54.68,29.69) 54.86,29.69 55.27,30.1 55.27,41.92 60.73,47.37 60.73,57.87 59.18,59.42 v1(59.18,59.58)
  vias: v1(96.98,60.85)
12V Main Rel: length 394.3
  TopLayer w0.381: C89.1 65.4,21.89 C93.1 ; 131.8,45.34 v1(131.8,43.15) ; 39.36,80.47 v1(37.36,80.47)
  TopLayer w0.457: Q11.3 81.34,65.89 81.34,63.44 81.91,62.87 82.97,62.87 83.06,62.78 Q14.3 ; C18.1 34.34,68.58 v1(34.29,68.53) ; D3.1 88.57,90.88 ; 74.22,65.98 75.36,65.98 76.76,64.58 81.29,64.58
  TopLayer w0.508: v1(50.44,93.24) 39.14,93.24 37.47,91.57 34.39,91.57 D1.1 ; 34.39,91.64 D6.1
  TopLayer w0.762: v1(59.74,65.94) 59.74,65.14 58.05,63.45 57.06,63.45 Q13.3 ; C93.1 65.43,20.2 J1.a14
  TopLayer w0.889: Q10.3 61.15,65.94 v1(59.74,65.94) ; v1(59.58,53.47) 59.58,55.14 R79.1 ; v1(72.6,65.56) 72.96,65.91 Q12.3 ; v1(53.16,32.73) 53.19,32.73 53.9,33.44 D12.1 ; C91.1 47.68,20.27
  TopLayer w1.016: C72.1 49.74,40.3 50.99,40.3 52.24,41.55 v1(54.18,41.55)
  MidLayer2 w0.381: v1(37.39,66.8) 44.27,66.8 45.11,67.64 53.54,67.64 55.25,65.94 59.59,65.94 ; 33.83,36.63 41.99,36.63 47.45,31.17 47.45,27.89 52.35,22.99 62.46,22.99 65.35,20.09 65.37,20.09 ; 67.61,29.79 67.69,29.79 69.37,31.47 78.97,31.47 81.66,28.78 85.04,28.78 86.23,29.97 101.68,29.97 101.93,30.23 107.39,30.23 108.25,29.36 116.99,29.36 123.67,36.04 123.67,39.55 127.1,42.98 131.52,42.98 131.7,43.15 ; v1(91.19,90.88) 56.39,90.88 54.43,92.84 50.85,92.84 v1(50.44,93.24)
  MidLayer2 w0.889: 59.59,65.94 59.92,65.61 72.44,65.61
  BottomLayer w0.508: v1(37.36,80.47) 37.42,80.41 37.42,66.83 v1(37.39,66.8) ; v1(34.32,85.01) 34.32,51.83 33.89,51.4 33.89,36.7 v1(33.9,36.68) ; 67.73,29.51 67.73,22.57 65.35,20.18 J1.a14
  BottomLayer w0.889: v1(59.74,65.94) 59.74,65.88 57.63,63.78 57.63,58.78 59.58,56.84 59.58,49.81 54.18,44.41 54.18,33.75 53.2,32.77 53.2,27.58 47.52,21.9 J1.a21
  vias: v1(67.74,29.64)
12V REL MON: length 23.5
  TopLayer w0.152: 103.35,60.38 103.58,60.15 103.58,59.82 102.7,58.94 99.5,58.94 98.68,58.12 95.38,58.12 C36.2 95.35,57.2 94.97,56.82 91.47,56.82 90.09,58.19 88.95,58.19 86.11,61.04 R61.2
  vias: v1(103.49,60.38)
GND: length 4487.9
  TopLayer w0.152: 90.15,54.08 89.69,53.63 88.95,53.63 ; 90.15,54.08 90.49,54.08 92.12,52.45 93.16,52.45 93.42,52.71 C42.1 ; 90.15,54.08 90.15,55.58 90.27,55.7 90.27,56.85 90.09,57.03 89.39,57.03 R72.1 89.3,56.94 89.3,53.98 88.95,53.63 ; 105.58,82.29 105.58,83.83 104.93,84.48 C14.1 ; IC6.1 84.25,108.33 82.65,109.93 v1(81.03,109.93) ; 104.85,47.55 104.57,47.55 104.27,47.24 101.93,47.24 102.16,47.02 102.16,45.59 102.34,45.42 104.62,45.42 ; IC3.10 160.71,73.18 v1(161.9,74.37) ; R106.2 49.03,43.61 48.91,43.5 v1(48.91,42.99) 46.72,42.99 46.28,42.55 45.36,42.55 45.21,42.4 45.21,40.36 C72.2 ; 106.11,22.35 R158.1 103.64,22.35 103.61,22.39 103.61,24.77 103.07,25.31 103.07,27.36 103.63,27.92 104.34,27.92 104.55,28.13 C77.2 ; 106.11,22.35 106.11,21.87 106.52,21.47 117.62,21.47 118.41,22.25 v1(119.81,22.25) 119.81,24.82 119.68,24.95 115.9,24.95 115.53,24.58 115.43,24.58 114.81,23.95 U17.1 ; 106.11,22.35 106.3,22.53 106.3,22.97 106.52,23.19 108.68,23.19 108.89,23.4 R154.1 ; 78.8,69.69 78.8,71.37 78.52,71.65 76.92,71.65 74.93,73.64 74.25,73.64 73.7,73.09 ; 131.55,69.34 133.17,69.34 133.73,69.9 C19.2 ; C19.2 135.64,69.9 135.64,69.06 136.45,68.25 137.24,68.25 137.8,68.81 137.8,71.7 137.9,71.6 140.33,71.6 140.18,71.76 ; C19.2 134.62,70.84 134.18,71.29 131.55,71.29 ; IC5.16 77.6,81.61 77.6,81.61 v1(77.6,80.87) 78,80.47 R23.2 ; IC7.12 153.47,42.67 ; 153.47,42.67 v1(153.54,42.6) 153.54,42.24 155.6,40.18 155.6,38.33 ; 153.47,42.67 153.34,42.67 152.2,43.82 IC7.13 ; C32.1 88.88,60.88 ; IC2.13 139.06,95.48 139.73,96.14 137.8,94.21 IC2.12 ; 140.18,71.76 v1(140.18,72.64) ; 140.18,71.76 139.9,71.48 139.9,67.16 138.79,66.04 C24.2 ; 142.19,46.86 142.19,44.93 141.99,44.73 ; v1(161.87,51.84) 161.39,51.36 IC4.10 ; v1(42.37,97.61) 41.71,96.95 IC8.11 ; v1(35.51,96.65) 34.65,96.65 34.34,96.95 IC8.10 ; v1(146.48,78.92) 145.75,78.18 142.98,78.18 141.78,79.38 142.54,80.14 142.54,80.34 141.94,80.95 C15.1 ; C44.1 137.46,53.24 v1(137.62,53.09) ; v1(149,41.02) 148.39,41.63 IC7.16 ; R20.2 79.43,80.37 ; v1(116.38,45.16) 116.38,44.35 115.39,43.36 111.02,43.36 111.05,43.38 111.05,45.21 110.79,45.47 109.6,45.47 109.5,45.36 105.66,45.36 105.61,45.42 104.62,45.42 ; 104.27,84.15 104.27,86.59 v1(103.48,87.38) 103.48,87.61 102.89,88.2 100.2,88.2 99.42,88.99 99.42,91.76 98.89,92.28 98.89,94.07 99.36,94.54 v1(100.61,94.54) 100.3,94.54 99.64,95.2 IC6.11 ; 79.76,74.74 78.97,75.53 77.6,75.53 75.17,73.1 v1(73.41,73.1) 72.54,72.24 R40.2 ; v1(58.83,46.94) 58.14,47.63 C54.2 R96.2 ; 104.62,45.42 104.75,45.29 C68.1 C62.2 107.11,45.54 ; v1(91.91,65.05) 91.26,65.7 R51.2 91.3,66.82 92.05,66.82 92.24,66.62 C22.2 C27.1 ; 142.6,38.66 142.6,42.34 141.99,42.95 141.99,44.73 ; 59.11,71.17 v1(57.15,71.17) ; 59.11,71.17 R38.1 ; 59.11,71.17 59.11,72.9 59.35,73.14 59.89,73.14 ; R41.1 160.73,70.76 v1(161.85,71.88) ; v1(35.94,77.6) 34.34,76 C18.2 ; C38.1 92.42,55.58 92.14,55.86 88.81,55.86 ; Q22.1 43.03,45.44 v1(42.47,46) 42.47,45.98 41.4,44.91 41.4,44.12 41.82,43.7 41.82,40.66 v1(41.48,40.33) ; U1.7 118.86,32.97 119.34,32.49 119.97,32.49 120.88,33.4 120.88,38.48 v1(120.57,38.79) 121.13,39.34 C70.2 ; 90.13,59.48 89.35,59.48 C34.1 89.31,62 R65.1 88.04,62.05 87.27,62.83 87.27,68.37 88.86,69.96 93.11,69.96 93.51,70.36 96.8,70.36 ; IC6.10 86.28,93.22 86.77,92.74 91.21,92.74 93.04,94.56 93.04,95.86 ; C80.2 132.94,26.52 v1(132.28,25.86) ; v1(31.5,67.21) 33.2,67.21 35.24,65.16 35.24,64.2 36.27,63.17 37.01,63.17 38.13,62.05 38.45,62.05 38.89,61.61 U11.15 ; v1(62.53,92.51) 62.53,92.81 59.56,95.78 IC10.11 ; 101.73,108.51 101.55,108.33 IC6.20 ; C81.2 v1(135.43,24.61) ; v1(82.85,80.87) 83.27,80.46 83.27,78.98 82.98,78.69 C16.2 ; 141.99,44.73 IC7.20 ; v1(66.55,100.86) 66.67,100.99 C1.2 67.59,102.08 67.8,102.29 U4.3 ; IC8.20 43.74,108.38 v1(43.76,108.41) 43.79,108.38 IC10.1 ; IC4.20 140.46,64.72 v1(140.18,64.44) 140.18,65.41 139.09,66.5 ; v1(68.15,85.42) IC5.2 ; R49.2 67.56,64.43 68.58,63.42 68.85,63.42 69.75,62.52 v1(69.75,60.66) ; 90.16,60.94 90.14,60.92 90.14,58.93 90.64,58.42 91.72,58.42 92.06,58.09 C36.1 ; v1(68.33,92.53) 67.79,92 C9.2 ; 103.46,29.06 103.13,29.39 IC11.2 100.17,29.39 99.4,30.17 v1(99.4,31.16) 97.83,32.73 97.83,34.35 97.74,34.44 v1(95.47,34.44) ; v1(39.37,95.4) 39.7,95.07 45.16,95.07 46.2,96.11 IC10.10 ; R147.2 112.67,29.79 112.68,29.78 112.68,27.13 111.89,26.34 U17.4 ; R19.2 49.78,86.39 R15.2 49.89,87.91 49.4,88.39 v1(49.07,88.39) ; 88.95,53.63 v1(88.95,53.54) ; 41.9,99.04 41.9,98.02 42.43,97.49 ; v1(140.06,60.6) 138,60.6 136.42,62.18 135.61,62.18 135.41,61.98 134.7,61.98 134.57,62.1 C30.1 ; v1(104.09,32.33) 104.09,32.59 104.52,33.02 U2.7 ; v1(153.29,41.05) 154.74,42.49 IC7.11 ; C83.2 153.54,23.85 153.47,23.77 143.71,23.77 143,24.49 C85.2
  TopLayer w0.203: 116.63,51.83 116.63,49.78 116.46,49.61 116.46,45.24 v1(116.38,45.16) ; 131.55,62.19 133.46,62.19 133.6,62.33 133.6,62.69 133.73,62.81 C30.1 ; C55.2 104.9,48.64 ; C39.1 137.74,55.7 v1(137.95,55.91) ; 101.07,67.39 99.62,67.39 99.14,66.9 C20.2 97.28,66.9 96.8,67.39 96.8,70.36 ; 104.85,47.55 104.85,49.4 105.58,50.13 105.58,51.83 ; C63.2 127.64,44.88 127.69,44.93 v1(127.69,46.96) 127.48,46.96 126.57,47.88 126.57,49.48 126.72,49.63 126.75,49.63 127.03,49.92 127.03,51.83 ; 110.13,51.83 110.13,49.79 110.29,49.63 C57.2 110.29,47.75 110.44,47.6 112.55,47.6 113,47.14 116.51,47.14